# KiCad board data-center-rdimm-ddr5-tester.kicad_pcb (continued)
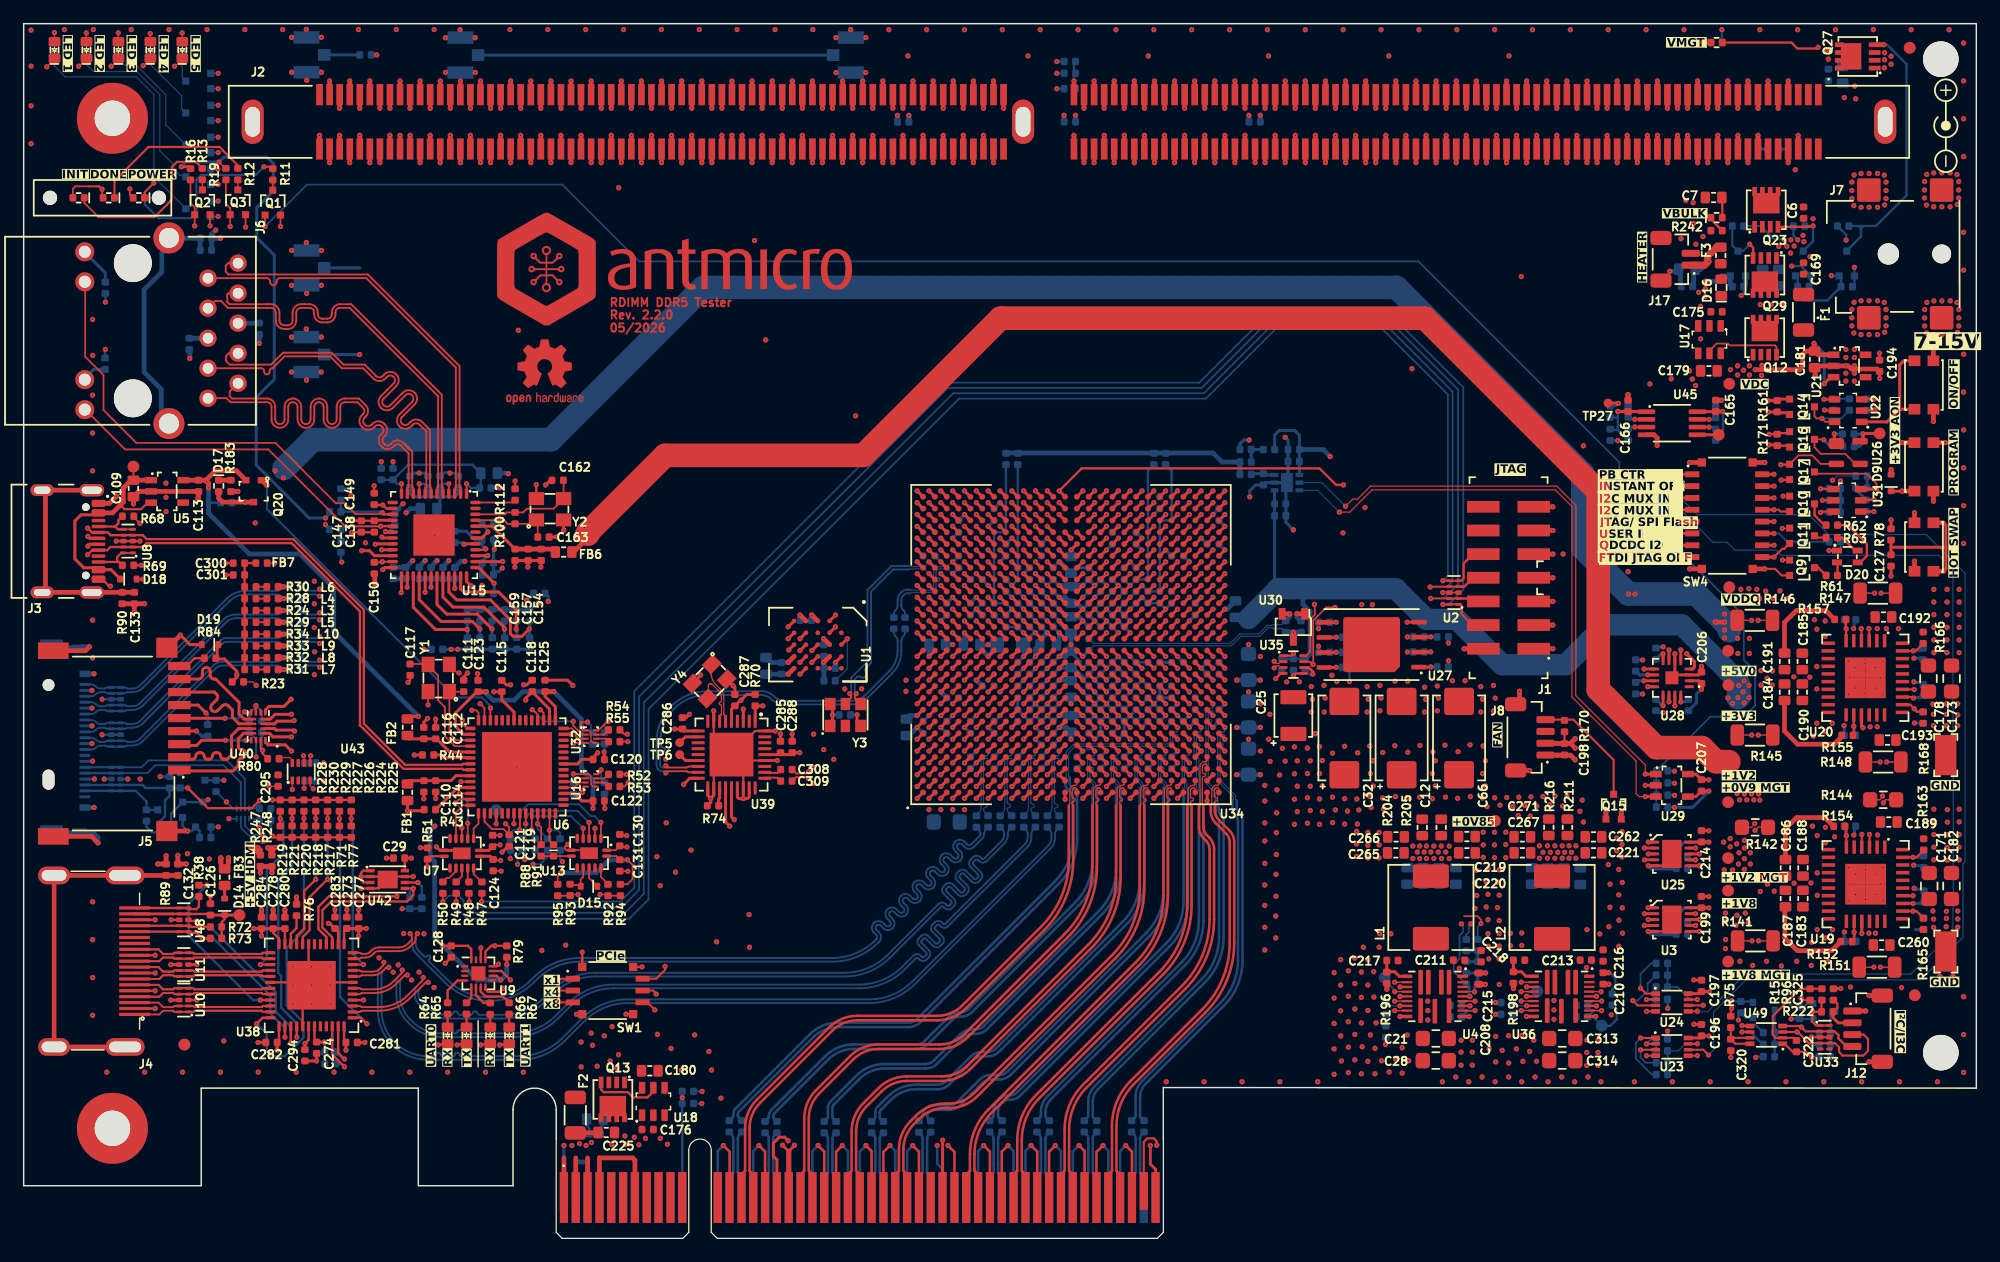
[diagram p0: board, top side]
## Routing (per net, layer and track width the routed paths; a pad name or vN(x,y) marks a point on that pad's centre or on a via; arc(x,y) is an arc through that point) (continued)
/DDR5 RDIMM/A.DQS6_N: length 83.8
  Top w0.256: U34.AD18 v1(99.5,55.2)
  Top w0.38: J2.167 v1(132.95,90.95)
  In4.Cu w0.1: 99.5,55.2 99.2,55.2 99.1,55.3 99.1,55.5 98.79,55.81 98.26,55.81 98.09,55.98 98.09,58.34 98.34,58.59 101.69,58.59 101.7,58.58
  In4.Cu w0.13: v1(132.95,90.95) 132.65,90.64 132.65,90.08 128.4,85.83 127.7,85.83 arc(127.41,85.71) 127.29,85.42 127.29,82.74 arc(127.1,82.29) 126.65,82.1 arc(126.2,82.29) 126.01,82.74 126.01,85.42 arc(125.89,85.71) 125.6,85.83 arc(125.31,85.71) 125.19,85.42 125.19,82.74 arc(125,82.29) 124.55,82.1 arc(124.1,82.29) 123.91,82.74 123.91,85.42 arc(123.79,85.71) 123.5,85.83 arc(123.21,85.71) 123.09,85.42 123.09,82.74 arc(122.9,82.29) 122.45,82.1 arc(122,82.29) 121.81,82.74 121.81,85.42 arc(121.69,85.71) 121.4,85.83 121.2,85.83 120.16,84.8 120.16,81.7 116.56,78.1 116.56,69.9 113.4,66.73 107.5,66.73 105.97,65.2 105.97,60.55 104,58.58 101.7,58.58
/DDR5 RDIMM/A.DQS6_P: length 83.7
  Top w0.256: U34.AC18 v1(98.5,55.2)
  Top w0.38: J2.168 v1(132.1,90.95)
  In4.Cu w0.1: 98.5,55.2 98.56,55.2 98.79,55.2 98.9,55.31 98.9,55.42 98.71,55.61 98.18,55.61 97.89,55.9 97.89,58.42 98.26,58.79 101.61,58.79 101.61,58.79 101.68,58.79 101.7,58.82
  In4.Cu w0.13: v1(132.1,90.95) 132.41,90.64 132.41,90.17 128.3,86.06 127.7,86.06 arc(127.25,85.88) 127.06,85.42 127.06,82.74 arc(126.94,82.45) 126.65,82.33 arc(126.36,82.45) 126.24,82.74 126.24,85.42 arc(126.05,85.88) 125.6,86.06 arc(125.15,85.88) 124.96,85.42 124.96,82.74 arc(124.84,82.45) 124.55,82.33 arc(124.26,82.45) 124.14,82.74 124.14,85.42 arc(123.95,85.88) 123.5,86.06 arc(123.05,85.88) 122.86,85.42 122.86,82.74 arc(122.74,82.45) 122.45,82.33 arc(122.16,82.45) 122.04,82.74 122.04,85.42 arc(121.85,85.88) 121.4,86.06 121.1,86.06 119.94,84.9 119.94,81.8 116.34,78.2 116.34,70 113.3,66.96 107.4,66.96 105.74,65.3 105.74,60.65 103.9,58.82 101.7,58.82
/DDR5 RDIMM/A.DQS7_N: length 76.3
  Top w0.256: U34.AB22 v1(97.5,59.2)
  Top w0.38: J2.178 v1(123.6,90.95)
  In2.Cu w0.1: 97.12,63.5 97.1,63.48 97.1,59.25 97.15,59.2 v1(97.5,59.2)
  In2.Cu w0.13: v1(123.6,90.95) 123.57,90.95 123.29,90.67 123.29,89.68 120.9,87.28 95.8,87.28 arc(95.58,87.19) 95.5,86.97 95.5,86.7 arc(95.34,86.32) 94.95,86.16 arc(94.56,86.32) 94.41,86.7 94.41,86.97 arc(94.32,87.19) 94.1,87.28 93.8,87.28 93.08,86.56 arc(92.97,86.29) 93.08,86.02 93.42,85.69 arc(93.6,85.25) 93.42,84.81 arc(92.98,84.63) 92.54,84.81 92.2,85.15 arc(91.94,85.26) 91.67,85.15 91.02,84.5 91.02,83.82 arc(91.12,83.57) 91.38,83.47 92.54,83.47 arc(92.97,83.3) 93.14,82.87 arc(92.97,82.45) 92.54,82.28 91.38,82.28 arc(91.12,82.18) 91.02,81.92 arc(91.12,81.67) 91.38,81.57 92.54,81.57 arc(92.97,81.4) 93.14,80.97 arc(92.97,80.55) 92.54,80.38 91.38,80.38 arc(91.12,80.28) 91.02,80.02 91.02,79.7 97.12,73.6 97.12,63.5
/DDR5 RDIMM/A.DQS7_P: length 76.3
  Top w0.256: U34.AA22 v1(96.5,59.2)
  Top w0.38: J2.179 v1(122.75,90.95)
  In2.Cu w0.1: v1(96.5,59.2) 96.8,59.2 96.9,59.3 96.9,63.48 96.88,63.5
  In2.Cu w0.13: 96.88,63.5 96.88,73.5 90.78,79.6 90.78,80.02 arc(90.95,80.45) 91.38,80.62 92.54,80.62 arc(92.8,80.72) 92.9,80.97 arc(92.8,81.23) 92.54,81.33 91.38,81.33 arc(90.95,81.5) 90.78,81.92 arc(90.95,82.35) 91.38,82.52 92.54,82.52 arc(92.8,82.62) 92.9,82.87 arc(92.8,83.13) 92.54,83.23 91.38,83.23 arc(90.95,83.4) 90.78,83.82 90.78,84.6 91.5,85.32 arc(91.94,85.5) 92.37,85.32 92.71,84.98 arc(92.98,84.87) 93.25,84.98 arc(93.36,85.25) 93.25,85.52 92.91,85.85 arc(92.73,86.29) 92.91,86.73 93.7,87.52 94.1,87.52 arc(94.49,87.36) 94.65,86.97 94.65,86.7 arc(94.73,86.49) 94.95,86.4 arc(95.17,86.49) 95.25,86.7 95.25,86.97 arc(95.41,87.36) 95.8,87.52 120.8,87.52 123.06,89.77 123.06,90.64 v1(122.75,90.95)
/DDR5 RDIMM/A.DQS8_N: length 52.5
  Top w0.256: U34.AD26 v1(99.5,63.2)
  Top w0.38: 114.25,92.1 v1(114.25,90.95)
  In6.Cu w0.1: 99.12,63.67 99.1,63.66 99.1,63.25 99.15,63.2 v1(99.5,63.2)
  In6.Cu w0.13: v1(114.25,90.95) 114.15,90.95 113.94,90.74 113.94,88.08 109.25,83.38 107.62,83.38 107.18,82.94 arc(106.71,82.74) 106.24,82.94 105.33,83.85 arc(105.03,83.97) 104.72,83.85 arc(104.6,83.54) 104.72,83.24 105.63,82.33 arc(105.83,81.86) 105.63,81.38 arc(105.16,81.19) 104.68,81.38 103.78,82.29 arc(103.47,82.42) 103.17,82.29 arc(103.04,81.99) 103.17,81.68 104.07,80.78 arc(104.27,80.3) 104.07,79.83 arc(103.6,79.63) 103.13,79.83 102.22,80.74 arc(101.92,80.86) 101.61,80.74 arc(101.49,80.43) 101.61,80.13 102.52,79.22 arc(102.71,78.75) 102.52,78.27 arc(102.04,78.08) 101.57,78.27 100.66,79.18 arc(100.36,79.31) 100.06,79.18 arc(99.93,78.88) 100.06,78.57 100.96,77.67 arc(101.16,77.19) 100.96,76.72 99.9,75.65 99.9,65.55 99.12,64.78 99.12,63.67
/DDR5 RDIMM/A.DQS8_P: length 52.5
  Top w0.256: U34.AC26 v1(98.5,63.2)
  Top w0.38: J2.190 v1(113.4,90.95)
  In6.Cu w0.1: v1(98.5,63.2) 98.78,63.2 98.9,63.32 98.9,63.66 98.88,63.67
  In6.Cu w0.13: v1(113.4,90.95) 113.43,90.95 113.71,90.67 113.71,88.17 109.15,83.62 107.53,83.62 107.02,83.11 arc(106.71,82.98) 106.41,83.11 105.5,84.02 arc(105.03,84.21) 104.55,84.02 arc(104.36,83.54) 104.55,83.07 105.46,82.16 arc(105.59,81.86) 105.46,81.55 arc(105.16,81.43) 104.85,81.55 103.94,82.46 arc(103.47,82.66) 103,82.46 arc(102.8,81.99) 103,81.51 103.9,80.61 arc(104.03,80.3) 103.9,80 arc(103.6,79.87) 103.3,80 102.39,80.91 arc(101.92,81.1) 101.44,80.91 arc(101.25,80.43) 101.44,79.96 102.35,79.05 arc(102.47,78.75) 102.35,78.44 arc(102.04,78.32) 101.74,78.44 100.83,79.35 arc(100.36,79.55) 99.89,79.35 arc(99.69,78.88) 99.89,78.4 100.79,77.5 arc(100.92,77.19) 100.79,76.89 99.66,75.75 99.66,65.65 98.88,64.87 98.88,63.67
/DDR5 RDIMM/A.DQS9_N: length 65.5
  Top w0.256: U34.V22 v1(93.5,59.2)
  Top w0.38: J2.200 v1(104.9,90.95)
  In4.Cu w0.1: 93.88,64.7 93.9,64.68 93.9,59.96 arc(93.86,59.87) 93.78,59.83 93.75,59.83 arc(93.66,59.8) 93.63,59.71 arc(93.66,59.62) 93.75,59.58 93.78,59.58 arc(93.86,59.55) 93.9,59.46 93.9,58.99 93.71,58.8 93.55,58.8 93.5,58.85 v1(93.5,59.2)
  In4.Cu w0.13: 93.88,64.7 93.88,66.25 94.39,66.75 arc(94.49,67.01) 94.39,67.26 94.3,67.35 arc(94.12,67.77) 94.3,68.2 94.58,68.47 arc(95,68.65) 95.42,68.47 95.51,68.39 arc(95.76,68.28) 96.02,68.39 96.29,68.66 arc(96.4,68.92) 96.29,69.17 96.21,69.26 arc(96.03,69.68) 96.21,70.1 96.49,70.38 arc(96.91,70.56) 97.33,70.38 97.42,70.3 arc(97.67,70.19) 97.93,70.3 98.2,70.57 arc(98.31,70.83) 98.2,71.08 98.12,71.17 arc(97.94,71.59) 98.12,72.01 98.4,72.29 arc(98.82,72.47) 99.24,72.29 99.33,72.21 arc(99.58,72.1) 99.84,72.21 100.11,72.48 arc(100.22,72.74) 100.11,72.99 100.03,73.08 arc(99.85,73.5) 100.03,73.92 100.3,74.2 arc(100.73,74.37) 101.15,74.2 101.24,74.11 arc(101.49,74.01) 101.74,74.11 102.37,74.74 112.38,84.75 112.38,92.18 111.58,92.98 111.58,94.24 arc(111.52,94.38) 111.38,94.44 111.29,94.44 arc(111.15,94.5) 111.09,94.64 111.09,94.79 arc(111.15,94.93) 111.29,94.99 111.38,94.99 arc(111.52,95.05) 111.58,95.19 111.58,95.95 111.25,96.28 106.95,96.28 106.72,96.05 106.72,95.16 106.54,94.98 arc(106.5,94.87) 106.54,94.77 arc(106.58,94.66) 106.54,94.56 106.43,94.45 arc(106.33,94.41) 106.22,94.45 arc(106.12,94.49) 106.01,94.45 104.59,93.04 104.59,91.25 v1(104.9,90.95)
/DDR5 RDIMM/A.DQS9_P: length 65.3
  Top w0.256: U34.V21 v1(93.5,58.2)
  Top w0.38: J2.201 v1(104.05,90.95)
  In4.Cu w0.1: v1(93.5,58.2) 93.5,58.55 93.55,58.6 93.79,58.6 94.1,58.91 94.1,64.68 94.12,64.7
  In4.Cu w0.13: 94.12,64.7 94.12,66.15 94.55,66.59 arc(94.73,67.01) 94.55,67.43 94.47,67.52 arc(94.36,67.77) 94.47,68.03 94.75,68.3 arc(95,68.41) 95.25,68.3 95.34,68.22 arc(95.76,68.04) 96.19,68.22 96.46,68.49 arc(96.64,68.92) 96.46,69.34 96.38,69.43 arc(96.27,69.68) 96.38,69.93 96.66,70.21 arc(96.91,70.32) 97.16,70.21 97.25,70.13 arc(97.67,69.95) 98.1,70.13 98.37,70.4 arc(98.55,70.83) 98.37,71.25 98.29,71.34 arc(98.18,71.59) 98.29,71.84 98.57,72.12 arc(98.82,72.23) 99.07,72.12 99.16,72.04 arc(99.58,71.86) 100.01,72.04 100.28,72.31 arc(100.46,72.74) 100.28,73.16 100.2,73.24 arc(100.09,73.5) 100.2,73.75 100.47,74.03 arc(100.73,74.13) 100.98,74.03 101.07,73.94 arc(101.49,73.77) 101.91,73.94 102.19,74.22 112.62,84.65 112.62,92.27 111.82,93.07 111.82,96.05 111.35,96.52 106.85,96.52 106.48,96.15 106.48,95.26 104.35,93.13 104.35,91.25 v1(104.05,90.95)
/DDR5 RDIMM/A.PAR: length 64.4
  Top w0.256: U34.W24 v1(94.5,61.2)
  Top w0.38: J2.74 v1(89.6,95.55)
  In9.Cu w0.1: v1(89.6,95.55) 89.6,94.4 89.4,94.2 88.35,94.2 87.95,93.8 87.95,92.95 88.3,92.6 89.15,92.6 arc(89.31,92.67) 89.38,92.82 89.38,93.32 arc(89.44,93.48) 89.6,93.55 arc(89.76,93.48) 89.82,93.32 89.82,92.82 arc(89.89,92.67) 90.05,92.6 90.19,92.6 91.11,91.68 91.11,90.65 90.74,90.27 88.57,90.27 86.55,88.25 86.55,83.45 86.65,83.35 arc(86.73,83.16) 86.65,82.96 86.01,82.32 arc(85.93,82.13) 86.01,81.94 arc(86.21,81.86) 86.4,81.94 87.04,82.57 arc(87.23,82.65) 87.43,82.57 arc(87.52,82.36) 87.43,82.15 86.76,81.48 arc(86.67,81.26) 86.76,81.05 arc(86.97,80.96) 87.18,81.05 87.85,81.72 arc(88.06,81.81) 88.28,81.72 88.4,81.6 88.4,81.5 arc(88.32,81.31) 88.12,81.22 arc(87.93,81.14) 87.85,80.95 87.85,80.9 arc(87.93,80.71) 88.12,80.62 arc(88.32,80.54) 88.4,80.35 88.4,79.5 arc(88.33,79.34) 88.18,79.27 arc(88.02,79.21) 87.95,79.05 arc(88.02,78.89) 88.18,78.82 arc(88.33,78.76) 88.4,78.6 88.4,77.5 88.65,77.25 89.1,77.25 89.65,77.8 89.7,77.8 arc(89.84,77.74) 89.9,77.6 89.9,77.2 arc(89.96,77.06) 90.1,77 arc(90.24,77.06) 90.3,77.2 90.3,77.6 arc(90.36,77.74) 90.5,77.8 arc(90.64,77.74) 90.7,77.6 90.7,77.2 arc(90.76,77.06) 90.9,77 arc(91.04,77.06) 91.1,77.2 91.1,77.6 arc(91.16,77.74) 91.3,77.8 arc(91.44,77.74) 91.5,77.6 91.5,77.2 arc(91.56,77.06) 91.7,77 arc(91.84,77.06) 91.9,77.2 91.9,77.6 arc(91.96,77.74) 92.1,77.8 92.65,77.8 92.83,77.62 arc(92.89,77.48) 92.83,77.34 92.61,77.13 arc(92.56,76.98) 92.61,76.84 arc(92.76,76.78) 92.9,76.84 93.11,77.06 arc(93.25,77.11) 93.39,77.06 arc(93.45,76.91) 93.39,76.77 93.18,76.56 arc(93.12,76.42) 93.18,76.28 arc(93.32,76.22) 93.46,76.28 93.68,76.49 arc(93.82,76.55) 93.96,76.49 arc(94.02,76.35) 93.96,76.21 93.75,75.99 arc(93.69,75.85) 93.75,75.71 arc(93.89,75.65) 94.03,75.71 94.24,75.93 arc(94.38,75.98) 94.53,75.92 94.65,75.8 94.65,63.8 94.91,63.54 94.91,61.91 94.5,61.5 v1(94.5,61.2)
/DDR5 RDIMM/B.CA0: length 64
  Top w0.256: U34.U25 v1(92.5,62.2)
  Top w0.38: J2.76 v1(82.8,95.55)
  In9.Cu w0.1: v1(92.5,62.2) 92.5,62.35 92,62.85 92,63.6 91.75,63.85 91.75,72.15 90.5,73.4 80.85,73.4 78.85,75.4 78.85,77.85 78.38,78.32 arc(78.26,78.6) 78.38,78.88 arc(78.54,78.95) 78.7,78.88 78.86,78.72 arc(79.02,78.66) 79.18,78.72 arc(79.24,78.88) 79.18,79.04 79.02,79.2 arc(78.95,79.36) 79.02,79.52 arc(79.18,79.59) 79.34,79.52 79.5,79.36 arc(79.66,79.29) 79.82,79.36 arc(79.88,79.52) 79.82,79.68 79.65,79.84 arc(79.59,80) 79.65,80.16 80.29,80.79 arc(80.41,81.08) 80.29,81.36 arc(80.01,81.48) 79.72,81.36 arc(79.51,81.27) 79.3,81.36 78.91,81.75 arc(78.7,81.84) 78.49,81.75 arc(78.4,81.54) 78.49,81.32 78.88,80.93 arc(78.96,80.72) 78.88,80.51 78.83,80.47 arc(78.62,80.38) 78.41,80.47 78.19,80.68 arc(77.98,80.77) 77.77,80.68 arc(77.68,80.47) 77.77,80.25 77.98,80.04 arc(78.07,79.83) 77.98,79.62 77.82,79.45 arc(77.53,79.33) 77.25,79.45 77.15,79.55 77.15,80.85 77.63,81.33 arc(77.76,81.65) 77.63,81.96 77.56,82.03 arc(77.42,82.35) 77.56,82.67 arc(77.87,82.8) 78.19,82.67 78.26,82.6 arc(78.58,82.47) 78.9,82.6 79.05,82.75 79.2,82.75 arc(79.38,82.68) 79.45,82.5 79.45,82.2 arc(79.52,82.02) 79.7,81.95 arc(79.88,82.02) 79.95,82.2 79.95,82.5 arc(80.02,82.68) 80.2,82.75 80.35,82.75 82.8,85.2 v1(82.8,95.55)
/DDR5 RDIMM/B.CA1: length 63.9
  Top w0.256: U34.R25 v1(90.5,62.2)
  Top w0.38: J2.78 v1(81.1,95.55)
  In9.Cu w0.1: v1(90.5,62.2) 90,62.7 90,63.5 90.3,63.8 90.3,70.2 89.2,71.3 80.65,71.3 79.62,72.33 arc(79.28,72.47) 78.95,72.33 78.63,72.01 arc(78.29,71.87) 77.96,72.01 arc(77.82,72.35) 77.96,72.69 78.28,73 78.27,73 arc(78.41,73.34) 78.28,73.67 77.3,74.65 77.3,77.35 72.15,82.5 72.15,83.75 72.95,84.55 77.45,84.55 77.85,84.15 79.45,84.15 81.1,85.8 81.1,91.15 80.62,91.62 80.62,91.7 arc(80.71,91.91) 80.93,92 81.93,92 arc(82.15,92.09) 82.23,92.3 arc(82.15,92.51) 81.93,92.6 80.93,92.6 arc(80.71,92.69) 80.62,92.9 80.62,93.65 arc(80.71,93.86) 80.93,93.95 81.93,93.95 arc(82.14,94.04) 82.22,94.25 arc(82.14,94.46) 81.93,94.55 80.93,94.55 arc(80.71,94.64) 80.62,94.85 80.62,95.07 v1(81.1,95.55)
/DDR5 RDIMM/B.CA2: length 64
  Top w0.256: U34.T25 v1(91.5,62.2)
  Top w0.38: 81.95,92.1 v1(81.95,90.95)
  In9.Cu w0.1: v1(81.95,90.95) 81.95,85.5 79.9,83.45 77.5,83.45 77.15,83.8 73.45,83.8 73,83.35 73,82.7 73.18,82.52 arc(73.39,82.44) 73.6,82.53 73.68,82.6 arc(73.72,82.71) 73.68,82.82 arc(73.63,82.92) 73.68,83.03 73.71,83.06 arc(73.82,83.11) 73.92,83.06 arc(74.03,83.02) 74.14,83.06 74.2,83.13 arc(74.41,83.21) 74.62,83.13 arc(74.71,82.91) 74.62,82.7 74.02,82.1 arc(73.94,81.89) 74.02,81.68 74.1,81.6 arc(74.33,81.5) 74.56,81.6 75.36,82.4 arc(75.42,82.54) 75.36,82.68 arc(75.3,82.82) 75.36,82.96 75.46,83.07 arc(75.61,83.13) 75.75,83.07 arc(75.89,83.01) 76.03,83.07 76.08,83.12 arc(76.31,83.22) 76.54,83.12 arc(76.63,82.89) 76.54,82.66 76.41,82.53 arc(76.35,82.37) 76.41,82.22 76.8,81.83 arc(76.87,81.67) 76.8,81.51 arc(76.64,81.44) 76.48,81.51 76.09,81.9 arc(75.93,81.96) 75.78,81.9 arc(75.71,81.74) 75.78,81.58 76.16,81.19 arc(76.23,81.03) 76.16,80.87 arc(76.01,80.81) 75.85,80.87 75.46,81.26 arc(75.3,81.33) 75.14,81.26 75.02,81.14 arc(74.92,80.91) 75.02,80.68 75.62,80.07 arc(75.78,80.01) 75.94,80.08 76.1,80.23 arc(76.25,80.29) 76.41,80.23 arc(76.48,80.07) 76.41,79.91 76.26,79.76 arc(76.2,79.6) 76.26,79.44 78.1,77.6 78.1,74.95 80.65,72.4 89.85,72.4 91,71.25 91,63 91.5,62.5 v1(91.5,62.2)
/DDR5 RDIMM/B.CA3: length 63.6
  Top w0.256: U34.P26 v1(89.5,63.2)
  Top w0.38: 80.25,92.1 v1(80.25,90.95)
  In9.Cu w0.1: v1(89.5,63.2) 89.5,63.9 89.7,64.1 89.7,69.1 88.45,70.35 79.45,70.35 arc(79.26,70.43) 79.18,70.62 79.18,70.97 arc(79.09,71.17) 78.9,71.25 arc(78.71,71.17) 78.62,70.97 78.62,70.62 arc(78.54,70.43) 78.35,70.35 arc(78.16,70.43) 78.07,70.62 78.07,70.97 arc(77.99,71.17) 77.8,71.25 arc(77.61,71.17) 77.53,70.97 77.53,70.62 arc(77.44,70.43) 77.25,70.35 77.05,70.55 arc(76.99,70.69) 77.05,70.83 arc(77.11,70.97) 77.05,71.11 77.02,71.15 arc(76.87,71.21) 76.73,71.15 arc(76.59,71.09) 76.45,71.15 76.35,71.25 76.35,71.35 arc(76.43,71.54) 76.62,71.62 76.97,71.62 arc(77.17,71.71) 77.25,71.9 arc(77.17,72.09) 76.97,72.17 76.62,72.17 arc(76.43,72.26) 76.35,72.45 arc(76.43,72.64) 76.62,72.72 76.97,72.72 arc(77.17,72.81) 77.25,73 arc(77.17,73.19) 76.97,73.27 76.62,73.27 arc(76.43,73.36) 76.35,73.55 76.35,77.1 71.45,82 71.45,84.05 72.65,85.25 77.5,85.25 77.6,85.35 arc(77.78,85.42) 77.95,85.35 78.52,84.78 arc(78.7,84.71) 78.87,84.78 arc(78.95,84.96) 78.87,85.14 78.31,85.7 arc(78.23,85.88) 78.31,86.06 arc(78.48,86.13) 78.66,86.06 79.23,85.49 arc(79.4,85.42) 79.58,85.49 arc(79.65,85.67) 79.58,85.84 79.01,86.41 arc(78.94,86.59) 79.01,86.76 arc(79.19,86.84) 79.37,86.76 79.93,86.2 arc(80.11,86.13) 80.29,86.2 arc(80.36,86.38) 80.29,86.55 80.26,86.57 arc(80.21,86.7) 80.26,86.82 80.48,87.04 arc(80.53,87.16) 80.48,87.28 arc(80.35,87.33) 80.23,87.28 80.02,87.07 arc(79.89,87.02) 79.77,87.07 79.72,87.12 arc(79.65,87.29) 79.72,87.47 80.25,88 v1(80.25,90.95)
/DDR5 RDIMM/B.CA4: length 64.2
  Top w0.256: U34.P25 v1(89.5,62.2)
  Top w0.38: J2.80 v1(79.4,95.55)
  In9.Cu w0.1: v1(89.5,62.2) 89,62.7 89,68 87.55,69.45 76.9,69.45 75.4,70.95 75.4,76.6 70.79,81.21 arc(70.73,81.35) 70.79,81.5 arc(70.85,81.64) 70.79,81.78 70.72,81.85 arc(70.58,81.91) 70.44,81.85 arc(70.29,81.79) 70.15,81.85 69.9,82.1 69.9,82.35 arc(69.97,82.51) 70.12,82.57 70.68,82.57 arc(70.83,82.64) 70.9,82.8 arc(70.83,82.96) 70.68,83.02 70.12,83.02 arc(69.97,83.09) 69.9,83.25 arc(69.97,83.41) 70.12,83.47 70.68,83.47 arc(70.83,83.54) 70.9,83.7 arc(70.83,83.86) 70.68,83.92 70.12,83.92 arc(69.97,83.99) 69.9,84.15 69.9,84.3 70.12,84.52 arc(70.28,84.59) 70.44,84.52 70.58,84.38 arc(70.74,84.32) 70.9,84.38 arc(70.97,84.54) 70.9,84.7 70.76,84.84 arc(70.7,85) 70.76,85.16 arc(70.92,85.23) 71.08,85.16 71.22,85.02 arc(71.38,84.95) 71.54,85.02 arc(71.61,85.18) 71.54,85.34 71.4,85.48 arc(71.33,85.64) 71.4,85.8 71.55,85.95 77.05,85.95 79.4,88.3 79.4,91.14 78.88,91.66 78.88,93.65 arc(78.96,93.86) 79.18,93.95 79.57,93.95 arc(79.79,94.04) 79.88,94.25 arc(79.79,94.46) 79.57,94.55 79.18,94.55 arc(78.96,94.64) 78.88,94.85 78.88,95.02 v1(79.4,95.55)
/DDR5 RDIMM/B.CA5: length 64.2
  Top w0.256: U34.P24 v1(89.5,61.2)
  Top w0.38: J2.225 v1(78.55,90.95)
  In9.Cu w0.1: v1(78.55,90.95) 78.55,88.65 76.55,86.65 71.05,86.65 69.05,84.65 69.05,81.65 74.4,76.3 74.4,70.6 76.78,68.22 76.95,68.22 arc(77.13,68.3) 77.2,68.47 77.2,68.62 arc(77.27,68.8) 77.45,68.88 arc(77.63,68.8) 77.7,68.62 77.7,68.47 arc(77.77,68.3) 77.95,68.22 arc(78.13,68.3) 78.2,68.47 78.2,68.62 arc(78.27,68.8) 78.45,68.88 arc(78.63,68.8) 78.7,68.62 78.7,68.47 arc(78.77,68.3) 78.95,68.22 arc(79.13,68.3) 79.2,68.47 79.2,68.62 arc(79.27,68.8) 79.45,68.88 arc(79.63,68.8) 79.7,68.62 79.7,68.47 arc(79.77,68.3) 79.95,68.22 arc(80.13,68.3) 80.2,68.47 80.2,68.62 arc(80.27,68.8) 80.45,68.88 arc(80.63,68.8) 80.7,68.62 80.7,68.47 arc(80.77,68.3) 80.95,68.22 arc(81.13,68.3) 81.2,68.47 81.2,68.62 arc(81.27,68.8) 81.45,68.88 arc(81.63,68.8) 81.7,68.62 81.7,68.47 arc(81.77,68.3) 81.95,68.22 arc(82.13,68.3) 82.2,68.47 82.2,68.62 arc(82.27,68.8) 82.45,68.88 arc(82.63,68.8) 82.7,68.62 82.7,68.47 arc(82.77,68.3) 82.95,68.22 arc(83.13,68.3) 83.2,68.47 83.2,68.62 arc(83.27,68.8) 83.45,68.88 arc(83.63,68.8) 83.7,68.62 83.7,68.47 arc(83.77,68.3) 83.95,68.22 arc(84.13,68.3) 84.2,68.47 84.2,68.62 arc(84.27,68.8) 84.45,68.88 arc(84.63,68.8) 84.7,68.62 84.7,68.47 arc(84.77,68.3) 84.95,68.22 arc(85.13,68.3) 85.2,68.47 85.2,68.62 arc(85.27,68.8) 85.45,68.88 arc(85.63,68.8) 85.7,68.62 85.7,68.47 arc(85.77,68.3) 85.95,68.22 arc(86.13,68.3) 86.2,68.47 86.2,68.62 arc(86.27,68.8) 86.45,68.88 arc(86.63,68.8) 86.7,68.62 86.7,68.47 arc(86.76,68.32) 86.9,68.23 87.42,68.23 87.47,68.17 arc(87.54,68.02) 87.47,67.86 87.47,67.86 87.2,67.58 arc(87.14,67.43) 87.2,67.27 arc(87.36,67.2) 87.52,67.27 87.79,67.54 arc(87.95,67.6) 88.11,67.54 88.38,67.27 88.38,67.15 arc(88.3,66.97) 88.12,66.9 88.03,66.9 arc(87.85,66.83) 87.78,66.65 arc(87.85,66.47) 88.03,66.4 88.12,66.4 arc(88.3,66.33) 88.38,66.15 88.38,64.17 88.5,64.05 88.5,62.2 v1(89.5,61.2)
/DDR5 RDIMM/B.CA6: length 63
  Top w0.256: U34.N24 v1(87.5,61.2)
  Top w0.38: J2.82 v1(77.7,95.55)
  In9.Cu w0.1: v1(87.5,61.2) 88,61.7 88,63.62 87.72,63.9 87.72,65.77 86.1,67.4 76.15,67.4 73.5,70.05 73.5,75.8 68.25,81.05 68.25,85.1 70.5,87.35 75.35,87.35 75.75,87.75 75.75,88.2 75.9,88.35 arc(76.04,88.41) 76.18,88.35 76.66,87.87 arc(76.81,87.81) 76.95,87.87 arc(77.01,88.01) 76.95,88.15 76.47,88.63 arc(76.41,88.77) 76.47,88.92 arc(76.61,88.97) 76.75,88.92 77.23,88.43 arc(77.37,88.38) 77.51,88.43 arc(77.57,88.58) 77.51,88.72 77.03,89.2 arc(76.97,89.34) 77.03,89.48 arc(77.17,89.54) 77.31,89.48 77.8,89 arc(77.94,88.94) 78.08,89 arc(78.14,89.14) 78.08,89.28 77.6,89.76 arc(77.54,89.91) 77.6,90.05 77.7,90.15 77.7,91.95 77.22,92.42 77.22,95.07 v1(77.7,95.55)
/DDR5 RDIMM/B.CB0: length 60.3
  Top w0.256: U34.P19 v1(89.5,56.2)
  Top w0.38: J2.96 v1(65.8,95.55)
  In6.Cu w0.148: v1(89.5,56.2) 88,57.7 88,59.4 88.95,60.35 88.95,67.7 76.1,80.55 71.72,80.55 71,81.28 arc(70.7,81.4) 70.39,81.28 70.27,81.15 arc(69.97,81.03) 69.67,81.15 arc(69.54,81.46) 69.67,81.76 69.79,81.88 arc(69.92,82.18) 69.79,82.48 arc(69.49,82.61) 69.19,82.48 69.07,82.36 arc(68.77,82.23) 68.47,82.36 arc(68.34,82.66) 68.47,82.96 68.59,83.08 arc(68.72,83.38) 68.59,83.68 arc(68.29,83.81) 67.99,83.68 67.87,83.56 arc(67.57,83.43) 67.26,83.56 arc(67.14,83.86) 67.26,84.16 67.39,84.28 arc(67.51,84.58) 67.39,84.89 arc(67.09,85.01) 66.79,84.89 66.66,84.76 arc(66.36,84.64) 66.06,84.76 arc(65.94,85.06) 66.06,85.36 66.19,85.49 arc(66.31,85.79) 66.19,86.09 65.8,86.47 65.8,91.72 65,92.52 65,94.75 v1(65.8,95.55)
/DDR5 RDIMM/B.CB1: length 60.5
  Top w0.256: U34.N21 v1(87.5,58.2)
  Top w0.38: J2.98 v1(64.1,95.55)
  In6.Cu w0.148: v1(64.1,95.55) 63.43,94.87 63.43,92.52 64.1,91.85 64.1,90.12 63.85,89.87 63.85,83.22 68.78,78.3 69.65,78.3 70.47,77.47 arc(70.86,77.31) 71.25,77.48 71.25,77.47 71.71,77.93 arc(72.1,78.1) 72.49,77.93 arc(72.65,77.55) 72.49,77.16 72.03,76.7 arc(71.87,76.31) 72.03,75.92 77.95,70 79.12,70 arc(79.53,70.17) 79.7,70.57 79.7,71.33 arc(79.87,71.74) 80.28,71.91 arc(80.68,71.74) 80.85,71.33 80.85,70.57 arc(81.02,70.17) 81.43,70 84.82,70 87.7,67.12 87.7,64.15 88.05,63.8 88.05,61.07 87.51,60.53 87.51,60.01 87,59.5 87,58.7 v1(87.5,58.2)
/DDR5 RDIMM/B.CB2: length 60.7
  Top w0.256: U34.N22 v1(87.5,59.2)
  Top w0.38: 64.95,92.1 v1(64.95,90.95)
  In6.Cu w0.148: v1(64.95,90.95) 64.95,84.5 69.97,79.47 75.45,79.47 75.9,79.02 arc(76.12,78.49) 75.9,77.96 74.31,76.37 arc(74.09,75.84) 74.31,75.31 arc(74.84,75.09) 75.37,75.31 76.96,76.9 arc(77.49,77.12) 78.02,76.9 arc(78.24,76.37) 78.02,75.84 76.43,74.25 arc(76.21,73.72) 76.43,73.19 arc(76.96,72.97) 77.49,73.19 79.08,74.78 arc(79.61,75) 80.14,74.78 80.56,74.36 arc(80.67,74.11) 80.56,73.87 arc(80.46,73.62) 80.56,73.37 80.63,73.3 arc(80.88,73.2) 81.13,73.3 arc(81.38,73.4) 81.62,73.3 83.97,70.95 84.8,70.95 88.3,67.45 88.3,64.5 88.5,64.3 88.5,60.8 88.03,60.32 88.03,59.97 87.5,59.45 v1(87.5,59.2)
/DDR5 RDIMM/B.CB3: length 60.5
  Top w0.256: U34.N19 v1(87.5,56.2)
  Top w0.38: J2.243 v1(63.25,90.95)
  In6.Cu w0.148: v1(87.5,56.2) 87.05,56.65 87.05,57.35 86.7,57.7 86.3,57.7 86,58 86,59.3 86.4,59.7 86.68,59.7 87.05,60.07 87.05,66.97 84.7,69.32 75.57,69.32 75.46,69.44 arc(75.38,69.62) 75.46,69.8 75.49,69.83 arc(75.57,70.01) 75.49,70.19 arc(75.32,70.26) 75.14,70.19 75.1,70.15 arc(74.93,70.08) 74.75,70.15 74.63,70.27 arc(74.49,70.59) 74.63,70.91 74.69,70.97 arc(74.82,71.29) 74.69,71.61 arc(74.37,71.74) 74.05,71.61 73.99,71.55 arc(73.67,71.41) 73.35,71.55 arc(73.22,71.86) 73.35,72.18 73.41,72.24 arc(73.55,72.56) 73.41,72.88 arc(73.1,73.01) 72.78,72.88 72.72,72.82 arc(72.4,72.69) 72.08,72.82 arc(71.95,73.14) 72.08,73.46 72.14,73.52 arc(72.27,73.83) 72.14,74.15 arc(71.82,74.28) 71.5,74.15 71.44,74.09 arc(71.13,73.96) 70.81,74.09 arc(70.68,74.41) 70.81,74.73 70.87,74.79 arc(71,75.11) 70.87,75.43 arc(70.55,75.56) 70.23,75.43 70.17,75.36 arc(69.85,75.23) 69.54,75.36 arc(69.4,75.68) 69.54,76 69.6,76.06 arc(69.73,76.38) 69.6,76.7 arc(69.28,76.83) 68.96,76.7 68.9,76.64 arc(68.58,76.51) 68.26,76.64 62.55,82.35 62.55,90.25 v1(63.25,90.95)
/DDR5 RDIMM/B.CB4: length 60.7
  Top w0.256: U34.P20 v1(89.5,57.2)
  Top w0.38: J2.89 v1(71.75,95.55)
  In6.Cu w0.148: v1(89.5,57.2) 90,56.7 90,55.9 90.2,55.7 94.75,55.7 95,55.95 95,74.7 80.03,89.67 75.05,89.67 74.28,90.45 74.28,91.52 72.85,92.94 72.85,94.45 v1(71.75,95.55)
/DDR5 RDIMM/B.CB5: length 57.4
  Top w0.256: U34.R21 v1(90.5,58.2)
  Top w0.38: 70.05,96.7 v1(70.05,95.55)
  In6.Cu w0.148: v1(90.5,58.2) 91,57.7 92.75,57.7 93,57.95 93,73.7 79.7,87 78.39,87 arc(78.24,86.94) 78.17,86.78 arc(78.11,86.62) 77.95,86.56 76.94,86.56 arc(76.79,86.62) 76.72,86.78 arc(76.66,86.94) 76.5,87 75.49,87 arc(75.34,86.94) 75.27,86.78 arc(75.21,86.62) 75.05,86.56 74.04,86.56 arc(73.89,86.62) 73.82,86.78 arc(73.76,86.94) 73.6,87 72.95,87 70.05,89.9 70.05,91.87 70.82,92.65 70.82,94.77 v1(70.05,95.55)
/DDR5 RDIMM/B.CB6: length 56.6
  Top w0.256: U34.R20 v1(90.5,57.2)
  Top w0.38: J2.234 v1(70.9,90.95)
  In6.Cu w0.148: v1(90.5,57.2) 91,56.7 93.7,56.7 94,57 94,74.2 80.22,87.97 79.7,87.97 arc(79.47,88.07) 79.38,88.3 arc(79.29,88.52) 79.06,88.62 78.75,88.62 arc(78.52,88.52) 78.43,88.3 arc(78.34,88.07) 78.11,87.97 77.8,87.97 arc(77.57,88.07) 77.48,88.3 arc(77.39,88.52) 77.16,88.62 76.85,88.62 arc(76.62,88.52) 76.53,88.3 arc(76.44,88.07) 76.21,87.97 75.9,87.97 arc(75.67,88.07) 75.58,88.3 arc(75.48,88.52) 75.26,88.62 74.95,88.62 arc(74.72,88.52) 74.63,88.3 arc(74.53,88.07) 74.31,87.97 73.88,87.97 73.3,88.55 arc(73.2,88.8) 73.3,89.04 73.55,89.29 arc(73.65,89.54) 73.55,89.78 arc(73.3,89.89) 73.05,89.78 72.81,89.54 arc(72.56,89.43) 72.31,89.54 v1(70.9,90.95) 70.9,90.95
